# KiCad board fabiTEM_0-4.kicad_pcb (continued)
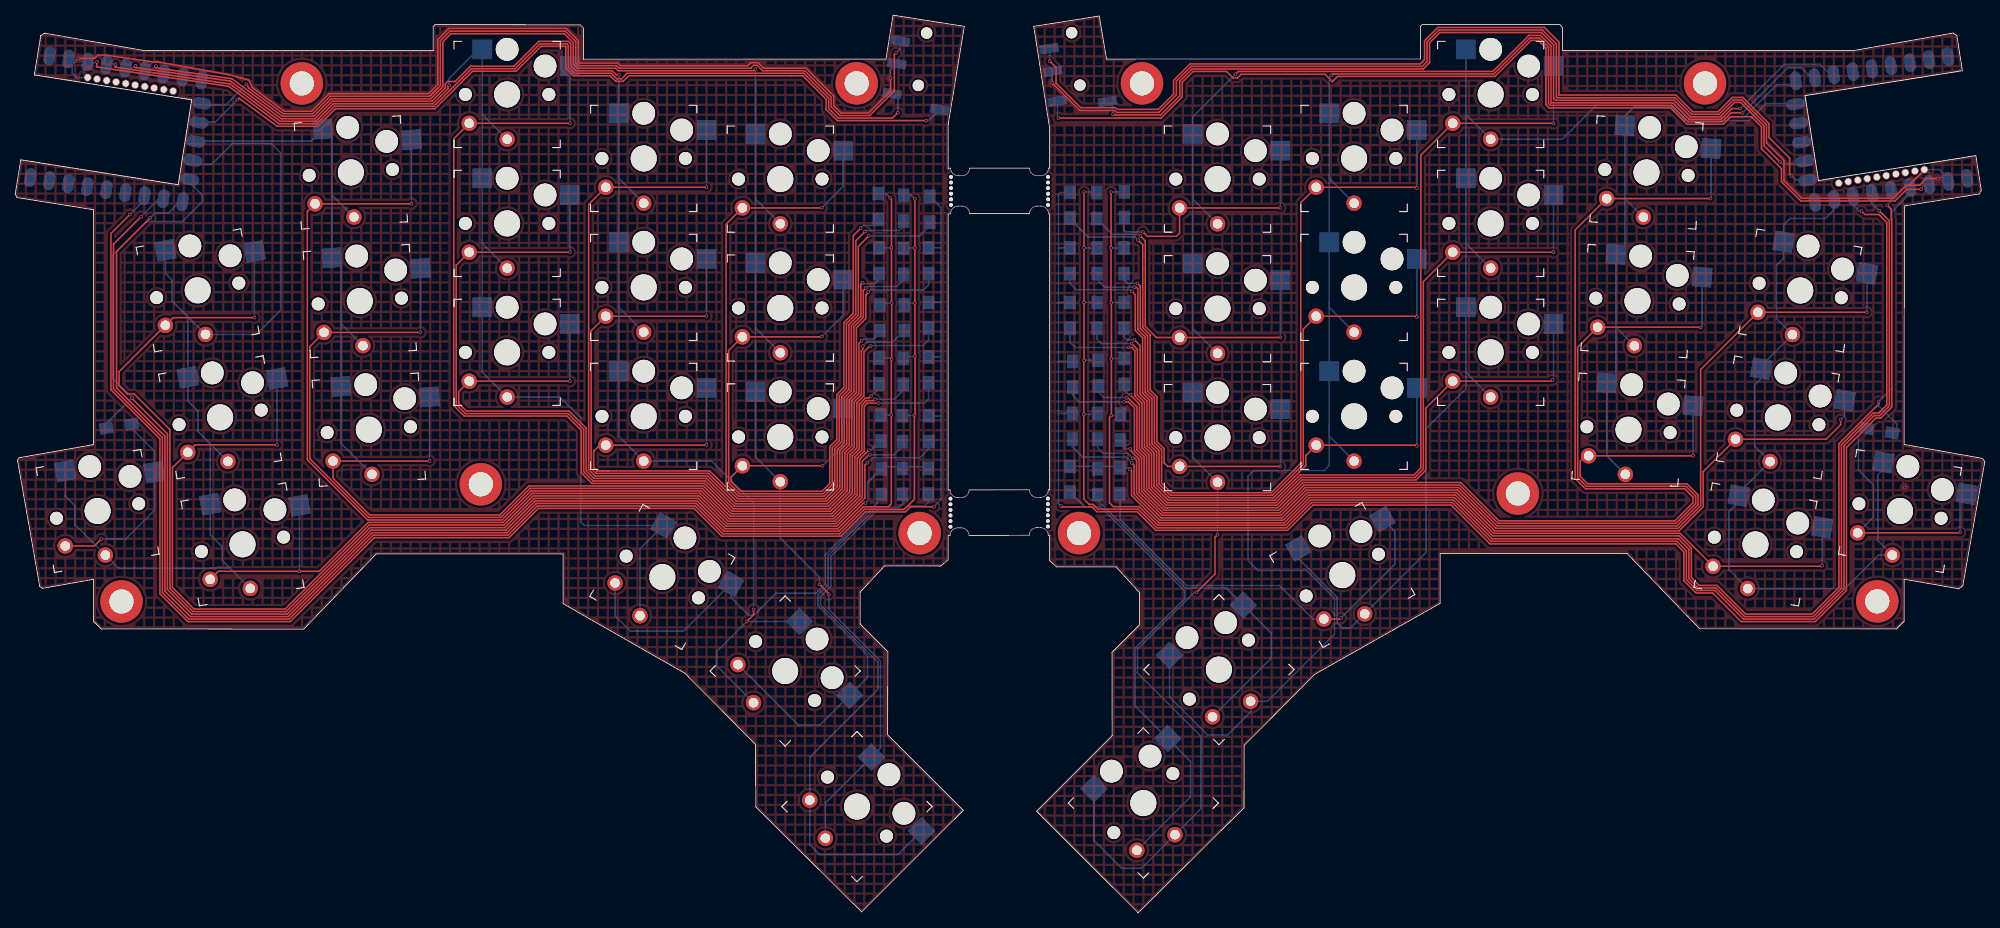
[diagram p0: board, top side]
## Routing (per net, layer and track width the routed paths; a pad name or vN(x,y) marks a point on that pad's centre or on a via; arc(x,y) is an arc through that point) (continued)
COL2_L: length 162.9
  Top w0.2: v1(57.2,109.11) 57.03,108.94 57.03,108.66 55.05,106.68 42.3,106.68 41.92,106.68 39.61,104.36 34.93,104.36 28.32,109.28 27.71,109.36 13.18,111.5 v1(13.23,111.9)
  Bottom w0.2: 61.56,106.22 61.56,105.27 SWL3.1 ; 61.56,106.22 SWL8.1 61.56,88.73 ; 61.56,106.22 SWL3.1 ; 11.99,111.26 12.63,111.9 v1(13.23,111.9) ; 61.56,88.73 61.56,88.27 SWL8.1 ; 61.56,88.73 SWL13.1 61.56,71.27 SWL13.1 71.78,68 74.54,65.24 74.54,51.55 75.02,51.07 SWL17.1 82.34,47.98 SWL17.1 ; 61.03,113.85 57.2,110.02 v1(57.2,109.11)
COL2_R: length 157.3
  Bottom w0.2: 191.19,71.71 SWR13.1 191.19,89.3 ; 191.19,71.71 191.19,71.27 SWR13.1 ; 191.19,71.71 191.19,69.07 185.96,63.85 185.96,47.51 SWR17.1 176.03,37.59 174.85,37.59 174.22,38.22 174.22,41.62 169.1,46.74 SWR17.1 ; U2.9 232.2,109.2 227.86,104.86 220.52,104.86 218.64,106.74 208.66,106.74 203.92,102 SWR3.1 191.19,105.27 191.19,105.8 ; 191.19,89.3 191.19,105.8 ; 191.19,89.3 191.19,88.27 SWR8.1 ; 191.19,105.8 SWR3.1
COL3_L: length 192.5
  Top w0.2: v1(15.85,111.67) 15.81,111.45 28.35,109.66 28.5,109.56 35.07,104.69 39.47,104.69 41.79,107.01 54.91,107.01 56.7,108.79 56.7,109.31 56.99,109.61 57.98,109.61 59.99,111.62 65.74,111.62 69.02,114.9 72.91,114.9 73.22,114.59 73.22,111.7 73.9,111.03 78.69,111.03 79.27,110.45 v1(79.56,110.45) ; v1(96.41,38.41) 97.32,39.32 v1(97.32,39.99)
  Bottom w0.2: 79.56,80.58 SWL9.1 79.56,97.69 ; 79.56,80.58 SWL14.1 79.56,62.84 SWL14.1 91.8,59.56 97.32,54.04 v1(97.32,39.99) ; 79.56,80.58 79.56,79.84 SWL9.1 ; v1(15.85,111.67) 14.5,110.87 ; SWL18.1 92.47,32.55 92.47,34.47 v1(96.41,38.41) SWL18.1 ; 79.56,97.69 SWL4.1 v1(79.56,110.45) ; 79.56,97.69 79.56,96.84 SWL4.1
COL3_R: length 222.3
  Top w0.2: v1(173.46,110.43) 173.63,110.6 194.88,110.6 199.63,115.35 200.88,115.35 202.08,114.15 202.08,106.68 202.3,106.46 218.3,106.46 220.46,104.31 224.98,104.31 226.15,105.47 v1(227.66,105.47)
  Bottom w0.2: 173.19,64.1 SWR14.1 173.19,80.35 ; 173.19,64.1 173.19,62.84 SWR14.1 ; 173.19,64.1 173.19,58.98 172.5,58.3 163.21,58.3 162.48,57.57 162.48,46.49 ; SWR4.1 173.19,96.84 173.19,97.27 ; 162.56,46.38 163.82,45.12 170.22,45.12 173.89,41.45 173.89,36.73 165.06,27.89 SWR18.1 162.9,27.82 162.9,26.56 159.8,23.46 157.14,23.46 152.12,28.47 SWR18.1 ; 173.19,80.35 173.19,97.27 ; 173.19,80.35 173.19,79.84 SWR9.1 ; v1(227.66,105.47) 233.6,111.42 235.43,111.42 U2.8 ; v1(173.46,110.43) 173.19,110.16 SWR4.1 173.19,97.27
COL4_L: length 216.9
  Top w0.2: v1(97.56,111.26) 97.33,111.03 79.46,111.03 79.13,111.36 74.1,111.36 73.55,111.9 73.55,114.72 72.36,115.91 57.43,115.91 56.36,114.85 56.36,108.92 54.78,107.34 41.65,107.34 39.34,105.02 35.21,105.02 28.57,109.97 18.5,111.4 v1(18.54,111.65) ; v1(107.24,41.98) 107.24,42.08 v1(106.01,43.31)
  Bottom w0.2: v1(18.54,111.65) 17.01,110.47 ; SWL10.1 97.56,77.12 97.56,78.03 ; 97.56,78.03 SWL10.1 97.56,94.84 ; 97.56,78.03 SWL15.1 97.56,60.12 SWL15.1 100.84,49.4 106.01,44.23 v1(106.01,43.31) ; SWL19.1 106.78,14.47 SWL19.1 114.04,21.73 114.04,33.19 107.24,39.99 v1(107.24,41.98) ; 97.56,94.84 97.56,94.12 SWL5.1 ; 97.56,94.84 SWL5.1 v1(97.56,111.26)
COL4_R: length 242.2
  Top w0.2: v1(158.46,49.86) 158.13,49.53 158.13,44.68 v1(155.7,42.25) ; v1(227.36,106.03) 226.24,106.03 224.84,104.64 220.6,104.64 218.44,106.79 202.43,106.79 202.41,106.81 202.41,114.29 201.02,115.68 199.5,115.68 194.74,110.93 161.18,110.93 v1(160.83,110.58)
  Bottom w0.2: SWR10.1 155.19,77.03 155.19,77.32 ; 155.19,77.32 155.19,94.94 ; 155.19,77.32 SWR15.1 155.19,60.03 SWR15.1 158.46,49.86 v1(158.46,49.86) ; SWR5.1 155.19,94.12 155.19,94.94 ; 155.19,94.94 SWR5.1 155.19,104.93 v1(160.83,110.58) ; 156.26,23.3 147.9,31.67 147.9,34.75 155.4,42.25 v1(155.7,42.25) ; 156.26,23.3 156.26,21.81 ; 156.26,23.3 156.26,20.99 ; 156.26,23.3 156.26,21.81 ; 156.26,20.99 156.26,13.7 SWR19.1 148.44,5.88 145.85,5.88 142.16,9.56 SWR19.1 ; 156.26,20.99 156.26,21.81 ; U2.7 237.88,111.87 233.17,111.87 227.36,106.06 v1(227.36,106.03)
ROW0_L: length 218.8
  Top w0.2: v1(121.11,53.55) 118.01,53.55 117.33,52.87 112.03,52.87 108.82,49.65 108.64,49.65 93.14,49.65 89.48,53.32 68.94,53.32 65.09,49.46 47.31,49.46 36.25,38.4 22.74,38.4 19.07,42.07 19.07,62.5 12.62,68.95 12.62,89.57 v1(15.11,92.06)
  Bottom w0.2: v1(15.11,92.06) 17.14,94.08 17.14,95.02 ; 122.02,80.51 122.02,87.64 ; 122.02,80.51 122,80.48 120.39,80.48 DL3.1 ; 122.02,80.51 122.02,73.27 ; 122.02,87.64 122.02,93 DL5.1 ; 122.02,87.64 121.98,87.68 120.39,87.68 DL4.1 ; 122.02,65.49 122.02,54.46 v1(121.11,53.55) ; 122.02,65.49 122.02,73.27 ; 122.02,65.49 120.5,65.49 DL1.1 ; 122.02,73.27 121.99,73.3 120.42,73.3 DL2.1
ROW0_R: length 217
  Top w0.2: 245.6,65.89 244.87,65.89 240.69,61.72 240.69,42.78 236.97,39.06 227.92,39.06 224.15,42.84 221.8,42.84 220.58,44.05 220.58,47.95 219.22,49.31 194.66,49.31 189.55,54.43 170.73,54.43 167.4,51.09 150.61,51.09 148.14,53.56 144.73,53.56 144.22,54.06 144.22,65.32 v1(144.48,65.57) 144.48,80.43 v1(144.45,80.45) 144.42,80.48 v1(144.42,87.67) v1(144.42,95.03) ; 245.6,65.89 245.84,66.13 ; 245.6,65.89 245.84,66.13 ; 245.84,66.13 246.67,66.96 246.67,91.01 245.61,92.07 243.78,92.07 v1(243.33,92.52)
  Bottom w0.2: v1(144.48,65.57) 145.52,65.57 DR1.1 ; DR4.1 146.13,87.67 v1(144.42,87.67) ; v1(144.45,80.45) 146.12,80.45 DR3.1 ; U2.17 242.14,93.4 243.03,92.52 v1(243.33,92.52) ; v1(144.48,73.04) 144.52,73.09 DR2.1 ; v1(144.42,95.03) 145.08,95.03 145.11,95.06 DR5.1
ROW1_L: length 215.9
  Top w0.2: 118.57,80.68 v1(118.57,73.37) 118.59,73.34 118.59,65.65 v1(118.52,65.57) 118.52,54.52 117.19,53.2 111.9,53.2 108.68,49.98 93.28,49.98 89.61,53.65 68.8,53.65 64.95,49.79 47.18,49.79 36.11,38.73 22.88,38.73 19.4,42.2 19.4,62.64 12.95,69.09 12.95,88.15 v1(16.59,91.78) ; v1(118.57,80.4) v1(118.57,87.67) v1(118.57,94.15)
  Bottom w0.2: DL7.1 117.32,73.37 v1(118.57,73.37) ; v1(16.59,91.78) 19.42,94.62 19.64,94.62 ; v1(118.52,65.57) 116.97,65.57 DL6.1 ; DL10.1 118.11,94.6 v1(118.57,94.15) ; DL9.1 117.17,87.67 v1(118.57,87.67) ; v1(118.57,80.4) 117.4,80.4 DL8.1
ROW1_R: length 219.3
  Top w0.2: v1(245.67,92.57) 247,91.24 247,66.83 245.74,65.56 245,65.56 241.02,61.58 241.02,43.75 241.02,42.64 237.11,38.73 227.79,38.73 224.01,42.51 221.66,42.51 220.25,43.92 220.25,47.73 219,48.98 194.52,48.98 189.41,54.1 170.87,54.1 167.53,50.76 150.47,50.76 148.01,53.23 142.68,53.23 142.06,53.85 141.55,53.85 141.55,53.85 140.84,54.55 140.84,72.78 v1(140.89,72.83) 140.87,72.86 v1(140.87,80.48) v1(140.87,87.67) v1(140.87,95.06)
  Bottom w0.2: v1(140.87,95.06) 140.89,95.03 142.47,95.03 DR10.1 ; DR6.1 142.52,65.72 v1(140.84,65.72) ; v1(140.89,72.83) 140.92,72.86 DR7.1 ; DR8.1 142.57,80.48 v1(140.87,80.48) ; U2.18 244.65,93.59 v1(245.67,92.57) ; DR9.1 142.58,87.67 v1(140.87,87.67)
ROW2_L: length 214.2
  Top w0.2: v1(115.49,87.69) 115.49,94.09 v1(115.32,94.27) ; 115.49,87.82 115.49,80.43 v1(115.52,80.4) v1(115.52,72.96) 115.47,72.91 115.47,53.94 115.06,53.53 111.76,53.53 108.55,50.31 93.41,50.31 89.75,53.98 68.67,53.98 64.81,50.12 47.04,50.12 35.98,39.06 23.08,39.06 19.73,42.41 19.73,62.83 13.36,69.2 13.36,87.19 v1(17.81,91.63)
  Bottom w0.2: v1(115.52,80.4) 114.2,80.4 DL13.1 ; 22.15,94.22 20.19,92.27 18.44,92.27 v1(17.81,91.63) ; v1(115.52,72.96) 115.34,73.14 DL12.1 ; DL11.1 114.15,65.65 v1(115.47,65.65) ; DL14.1 115.47,87.67 v1(115.49,87.69) ; DL15.1 114.76,94.83 v1(115.32,94.27)
ROW2_R: length 222.8
  Top w0.2: v1(246.74,93.28) 247.24,92.77 247.24,91.46 247.33,91.37 247.33,66.69 245.88,65.23 245.23,65.23 241.35,61.35 241.35,42.5 237.25,38.4 227.47,38.4 223.7,42.18 221.53,42.18 219.92,43.78 219.92,47.59 218.86,48.65 194.39,48.65 194.29,48.75 194.28,48.75 189.26,53.77 171.02,53.77 167.69,50.43 150.33,50.43 147.87,52.9 142.55,52.9 141.93,53.52 137.95,53.52 v1(137.82,53.65)
  Bottom w0.2: 137.49,65.77 137.56,65.85 DR11.1 ; 137.49,65.77 137.49,53.98 v1(137.82,53.65) ; 137.49,65.77 137.49,72.71 ; DR12.1 137.62,72.71 137.62,72.71 137.49,72.71 ; 137.49,80.4 137.56,80.47 DR13.1 ; 137.49,80.4 137.49,87.62 ; 137.49,80.4 137.49,72.71 ; 137.49,87.62 137.55,87.67 DR14.1 ; 137.49,87.62 137.49,94.73 137.74,94.98 DR15.1 ; U2.19 247.16,93.71 v1(246.74,93.28)
ROW3_L: length 185.3
  Top w0.2: v1(112.06,54.04) 111.81,54.04 108.41,50.64 93.55,50.64 89.89,54.31 68.53,54.31 64.68,50.45 46.9,50.45 35.84,39.39 23.29,39.39 20.06,42.62 20.06,63.16 15.42,67.81 v1(15.42,67.91)
  Bottom w0.2: DL16.1 12.01,64.5 v1(15.42,67.91) 12.8,70.52 12.8,86.65 17.28,91.13 22.03,91.13 24.63,93.73 24.63,94.66 U1.10 ; DL19.1 120.14,58.82 114.41,58.82 DL17.1 112.34,56.75 112.34,54.32 v1(112.06,54.04)
ROW3_R: length 180.3
  Top w0.2: v1(146.94,58.48) 147.13,58.29 147.13,55.04 150.74,51.42 167.26,51.42 170.6,54.76 189.68,54.76 194.74,49.7 219.3,49.7 220.91,48.09 220.91,44.19 221.94,43.17 224.28,43.17 228.06,39.39 236.84,39.39 240.36,42.91 240.36,61.86 245.59,67.09 v1(245.59,67.42)
  Bottom w0.2: DR16.1 247.98,63.87 247.98,64.45 245.59,66.84 v1(245.59,67.42) 247.32,69.15 247.32,92.42 249.67,94.77 U2.20 ; v1(146.94,58.48) 146.76,58.66 DR17.1 145.41,58.87 DR19.1
RX_L: length 119.4
  Top w0.2: 55.69,108.72 56.03,109.06 56.03,114.98 57.29,116.24 72.5,116.24 73.88,114.86 73.88,112.04 74.23,111.7 79.25,111.7 79.59,111.36 96.93,111.36 97.33,111.76 97.77,111.76 98.5,111.03 104.06,111.03 107.54,107.55 107.54,106.28 108.7,105.12 112.61,105.12 115.81,108.32 115.87,108.32 115.87,113.14 v1(116.1,113.37) ; 55.69,108.72 54.64,107.67 ; 55.69,108.72 54.64,107.67 ; 54.64,107.67 41.51,107.67 39.2,105.35 35.34,105.35 30.81,108.71 v1(30.48,109.23)
  Bottom w0.2: 24.14,106.77 24.42,106.49 27.74,106.49 v1(30.48,109.23) ; J1.R2 116.67,113.93 v1(116.1,113.37)
RX_R: length 129.2
  Top w0.2: v1(136.35,112.28) 137.18,111.45 137.18,109.4 140.42,106.16 144.99,106.16 145.22,105.93 150.65,105.93 152.67,107.95 152.67,109.75 154.83,111.92 185.19,111.92 185.75,112.48 185.75,114.99 187.49,116.73 201.55,116.73 203.45,114.82 203.45,107.81 218.9,107.81 221.08,105.63 224.43,105.63 226.31,107.5 227.69,107.5 231.14,104.05 231.14,102.22 233.85,99.5 233.85,97.42 v1(234.14,97.14)
  Bottom w0.2: J2.R2 136.35,113.88 v1(136.35,112.28) ; v1(234.14,97.14) 234.62,96.66 U2.14
TX_L: length 112.7
  Top w0.2: v1(29.3,107.21) 29.3,107.22 29.49,107.4 34.54,103.7 39.88,103.7 42.2,106.02 55.32,106.02 60.27,110.96 66.01,110.96 69.29,114.24 72.56,114.24 72.56,111.38 73.58,110.37 78.42,110.37 79.16,109.62 80.12,109.62 80.86,110.37 102.29,110.37 103.79,110.37 106.88,107.28 106.88,105.92 108.34,104.46 v1(120.07,104.46)
  Bottom w0.2: J1.S 120.37,104.46 v1(120.07,104.46) ; 23.74,104.26 26.35,104.26 v1(29.3,107.21)
TX_R: length 115.4
  Top w0.2: v1(232.56,99.05) 230.48,101.13 230.48,103.78 227.41,106.84 226.59,106.84 224.71,104.97 220.81,104.97 218.65,107.12 203.04,107.12 202.75,107.41 202.75,114.46 201.15,116.07 187.76,116.07 186.41,114.71 186.41,112.1 185.57,111.26 155.11,111.26 153.48,109.63 153.48,107.72 150.95,105.2 144.78,105.2 v1(144.68,105.3)
  Bottom w0.2: v1(232.56,99.05) 232.87,98.74 235.9,98.74 U2.13 ; v1(144.68,105.3) 144.68,106.25 J2.S
Net-(DL1-A): length 178.2
  Top w0.2: v1(112.32,59.35) 111.99,59.02 111.99,58.42 111.98,58.4 111.98,54.67 108.27,50.97 93.69,50.97 90.02,54.64 68.39,54.64 64.54,50.78 46.77,50.78 35.7,39.72 23.43,39.72 20.39,42.75 20.39,63.71 15.7,68.41 14.79,68.41 13.69,69.51 13.69,71.35 SWL1.2 20.81,78.47 31.53,78.47 v1(31.54,78.48)
  Bottom w0.2: DL1.2 120.45,61.2 119.25,60.01 112.98,60.01 v1(112.32,59.35) ; SWL1.2 31.56,78.5 v1(31.54,78.48)
Net-(DL2-A): length 158.6
  Top w0.2: v1(113.79,67.2) 112.31,67.2 111.91,66.8 111.91,60.89 110.99,59.97 110.99,55.08 107.86,51.96 94.1,51.96 90.43,55.63 67.98,55.63 64.16,51.8 46.45,51.8 38.5,59.75 38.5,92.46 SWL2.2 52.21,93.48 v1(52.24,93.5)
  Bottom w0.2: SWL2.2 52.23,93.51 v1(52.24,93.5) ; v1(113.79,67.2) 119.83,67.2 120.39,67.75 DL2.2
Net-(DL3-A): length 151.1
  Top w0.2: v1(112.73,74.71) 112.62,74.71 111.86,73.95 111.86,68.17 110.92,67.23 110.92,61.3 110,60.38 110,55.49 107.45,52.95 94.51,52.95 90.84,56.62 76.01,56.62 74.59,58.04 74.59,63.64 72.73,65.49 59.2,65.49 57.8,66.89 57.8,102.06 SWL3.2 73.11,104.1 v1(73.11,104.1)
  Bottom w0.2: DL3.2 120.39,75.53 119.65,74.79 112.8,74.79 v1(112.73,74.71) ; v1(73.11,104.1) 73.11,104.1 SWL3.2
Net-(DL4-A): length 132.3
  Top w0.2: v1(91.11,95.68) 91.1,95.66 SWL4.2 75.58,93.4 75.58,58.45 76.42,57.61 91.25,57.61 94.92,53.94 107.04,53.94 109.01,55.91 109.01,60.79 109.93,61.71 109.93,67.64 110.87,68.58 110.87,77.12 112.11,78.36 112.11,81.4 112.31,81.6 112.31,81.74 v1(112.42,81.85)
  Bottom w0.2: v1(112.42,81.85) 112.67,82.11 119.68,82.11 120.39,82.81 DL4.2 ; SWL4.2 91.11,95.68 v1(91.11,95.68)
Net-(DL5-A): length 115.9
  Top w0.2: v1(106.31,92.97) 106.28,92.94 SWL5.2 93.7,90.8 93.7,56.57 95.34,54.93 106.63,54.93 108.02,56.32 108.02,61.2 108.94,62.12 108.94,68.05 109.88,68.99 109.88,77.54 111.12,78.78 111.12,87.87 v1(112.52,89.27)
  Bottom w0.2: DL5.2 120.55,90.59 119.2,89.24 112.55,89.24 v1(112.52,89.27) ; SWL5.2 109.11,95.77 v1(106.31,92.97)
Net-(DL6-A): length 152.3
  Top w0.2: v1(34.51,61.7) 23.73,61.7 20.72,58.69 20.72,42.89 23.56,40.05 35.57,40.05 46.66,51.14 64.43,51.14 68.26,54.97 90.16,54.97 93.82,51.3 108.14,51.3 111.65,54.81 111.65,59.53 112.51,60.4 v1(112.66,60.4)
  Bottom w0.2: v1(34.51,61.7) 34.51,61.7 SWL6.2 ; v1(112.66,60.4) 115.83,60.4 116.94,61.51 DL6.2
Net-(DL7-A): length 137.1
  Top w0.2: v1(53.41,76.53) 53.41,76.52 SWL7.2 38.83,74.65 38.83,59.89 46.58,52.13 64.02,52.13 67.85,55.96 90.57,55.96 94.23,52.29 107.73,52.29 110.66,55.22 110.66,60.11 111.58,61.03 111.58,66.94 112.17,67.53 113.14,67.53 v1(113.31,67.7)
  Bottom w0.2: SWL7.2 53.42,76.53 v1(53.41,76.53) ; v1(113.31,67.7) 115.85,67.7 117.04,68.9 DL7.2
Net-(DL8-A): length 129.3
  Top w0.2: v1(73.11,87.1) 73.11,87.1 SWL8.2 58.13,85.39 58.13,67.03 59.34,65.82 72.87,65.82 74.92,63.77 74.92,58.17 76.15,56.95 90.98,56.95 94.64,53.28 107.32,53.28 109.67,55.63 109.67,60.52 110.59,61.44 110.59,67.36 111.53,68.3 111.53,74.09 111.71,74.27 v1(111.71,74.71)
  Bottom w0.2: DL8.2 115.63,75.23 112.23,75.23 v1(111.71,74.71) ; v1(73.11,87.1) 73.11,87.1 SWL8.2
Net-(DL9-A): length 110.9
  Top w0.2: v1(91.11,78.68) 91.1,78.66 SWL9.2 75.91,76.73 75.91,58.58 76.56,57.94 91.39,57.94 95.05,54.27 106.91,54.27 108.68,56.04 108.68,60.93 109.6,61.85 109.6,67.77 110.54,68.71 110.54,77.27 111.78,78.51 111.78,82.07 v1(112.09,82.38)
  Bottom w0.2: DL9.2 117.09,83.51 116.15,82.57 112.27,82.57 v1(112.09,82.38) ; v1(91.11,78.68) 91.11,78.68 SWL9.2
Net-(DL10-A): length 95.1
  Top w0.2: v1(106.31,75.99) 106.26,75.94 SWL10.2 94.03,74.13 94.03,56.7 95.47,55.26 106.5,55.26 107.69,56.45 107.69,61.34 108.61,62.26 108.61,68.18 109.55,69.12 109.55,77.68 110.79,78.92 110.79,88.6 v1(112.01,89.83)
  Bottom w0.2: SWL10.2 109.11,78.8 v1(106.31,75.99) ; v1(112.01,89.83) 112.17,89.98 116.54,89.98 117.09,90.54 DL10.2
Net-(DL11-A): length 110.5
  Top w0.2: SWL11.2 26.75,45.03 v1(37.46,45.03) 40.08,45.03 46.52,51.47 64.3,51.47 68.12,55.3 90.3,55.3 93.96,51.63 108,51.63 111.32,54.95 111.32,59.83 112.16,60.68 112.17,60.68 v1(112.5,61)
  Bottom w0.2: v1(112.5,61) 112.78,61 113.97,62.19 DL11.2 ; v1(37.46,45.03) SWL11.2
Net-(DL12-A): length 114.3
  Top w0.2: v1(54.61,59.58) 54.6,59.56 SWL12.2 41.89,57.3 46.72,52.46 63.89,52.46 67.71,56.29 90.71,56.29 94.37,52.62 107.59,52.62 110.33,55.36 110.33,60.24 111.25,61.16 111.25,67.08 112.03,67.86 112.53,67.86 v1(112.78,68.11)
  Bottom w0.2: v1(54.61,59.58) 54.6,59.58 SWL12.2 ; v1(112.78,68.11) 113.87,69.2 DL12.2
Net-(DL13-A): length 108.8
  Top w0.2: v1(111.56,75.43) 111.2,75.07 111.2,68.44 110.26,67.5 110.26,61.57 109.34,60.65 109.34,55.77 107.18,53.61 94.78,53.61 91.12,57.28 76.28,57.28 75.25,58.31 75.25,63.91 73.01,66.15 59.47,66.15 58.46,67.17 58.46,68.72 SWL13.2 73.09,70.1 v1(73.11,70.08)
  Bottom w0.2: SWL13.2 73.11,70.08 v1(73.11,70.08) ; v1(111.56,75.43) 111.79,75.65 113.18,75.65 113.97,76.44 DL13.2
Net-(DL14-A): length 91.6
  Top w0.2: SWL14.2 91.07,61.66 v1(91.11,61.7) ; 76.69,58.27 76.24,58.72 76.24,60.85 77.05,61.66 ; 76.69,58.27 78.21,58.27 ; 76.69,58.27 78.21,58.27 ; 78.21,58.27 91.53,58.27 95.2,54.6 106.77,54.6 108.35,56.18 108.35,61.06 109.27,61.98 109.27,67.91 110.21,68.85 110.21,77.41 111.45,78.65 111.45,82.86 v1(111.68,83.1)
  Bottom w0.2: SWL14.2 91.11,61.7 v1(91.11,61.7) ; DL14.2 113.84,83.5 113.28,82.94 111.84,82.94 v1(111.68,83.1)
Net-(DL15-A): length 74.1
  Top w0.2: v1(111.43,90.26) 110.46,89.29 110.46,79.06 109.22,77.82 109.22,69.26 108.28,68.32 108.28,62.39 107.36,61.47 107.36,56.59 106.36,55.59 95.61,55.59 94.36,56.84 94.36,57.46 SWL15.2 106.38,58.94 v1(106.38,58.94)
  Bottom w0.2: DL15.2 113.74,91.38 113,90.64 111.81,90.64 v1(111.43,90.26) ; v1(106.38,58.94) 109.11,61.67 SWL15.2
Net-(DL16-A): length 26.3
  Top w0.2: SWL16.2 10.43,48.37 v1(11.35,49.29)
  Bottom w0.2: v1(11.35,49.29) 14.58,49.29 18.36,53.07 18.36,60.85 15.37,63.84 DL16.2
Net-(DL17-A): length 54.8
  Bottom w0.2: DL17.2 113.65,54.66 113.65,54.09 106.77,47.21 106.77,43.35 105.55,42.14 100.25,42.14 97.34,39.23 96.68,39.23 94.34,41.57 SWL17.2 88.09,37.14 81.08,37.14 79.06,39.15 SWL17.2
Net-(DL18-A): length 56.2
  Bottom w0.2: SWL18.2 103.23,24.76 106.05,24.76 112.33,31.03 112.33,33.97 105.8,40.5 105.8,41.91 107.15,43.26 107.15,47.12 113.5,53.48 116.51,53.48 116.97,53.94 DL18.2
Net-(DL19-A): length 78.9
  Bottom w0.2: DL19.2 120.35,54.11 119.85,53.62 117.51,53.62 117.02,53.12 113.62,53.12 107.49,47 107.49,43.06 106.13,41.69 106.13,40.64 113.71,33.06 113.71,29.49 104.72,20.51 104.72,8.98 106.02,7.68 116.33,7.68 SWL19.2
Net-(DR1-A): length 136.4
  Top w0.2: v1(244.04,79.17) 244.03,79.18 SWR1.2 222.13,71.63 222.13,53.68 219.14,50.69 195.15,50.69 190.09,55.75 170.15,55.75 166.81,52.41 151.15,52.41 148.12,55.45 148.12,59.83 147.1,60.85 147.1,61.01 v1(146.96,61.15)
  Bottom w0.2: DR1.2 145.69,61.73 146.28,61.15 v1(146.96,61.15) ; SWR1.2 244.06,79.2 v1(244.04,79.17)
Net-(DR2-A): length 169
  Top w0.2: v1(147.02,68.31) 147.02,68.23 148.17,67.08 148.17,61.18 149.11,60.24 149.11,55.86 151.55,53.41 151.83,53.41 151.84,53.4 166.38,53.4 169.72,56.74 190.5,56.74 195.56,51.68 218.73,51.68 221.14,54.09 221.14,54.8 220.04,55.9 206.96,55.9 205.59,57.27 205.59,90.02 SWR2.2 223.44,94.17 v1(223.44,94.17)
  Bottom w0.2: SWR2.2 223.51,94.25 v1(223.44,94.17) ; DR2.2 146.13,68.95 146.76,68.31 v1(147.02,68.31)
Net-(DR3-A): length 128.7
  Top w0.2: v1(147.5,75.55) 148.26,74.79 148.26,68.39 149.16,67.49 149.16,61.59 150.1,60.65 150.1,56.27 151.96,54.4 165.98,54.4 169.31,57.73 184.35,57.73 185.26,58.64 185.26,99.89 SWR3.2 202.71,104.1 v1(202.74,104.07)
  Bottom w0.2: SWR3.2 v1(202.74,104.07) ; DR3.2 146.13,76 146.58,75.55 v1(147.5,75.55)
Net-(DR4-A): length 109.1
  Top w0.2: v1(184.74,95.57) 184.65,95.66 SWR4.2 169.43,93.63 169.43,59.27 165.56,55.39 152.37,55.39 151.09,56.68 151.09,61.06 150.15,62 150.15,67.9 149.25,68.8 149.25,76.09 148.28,77.06 148.28,82.62 v1(147.9,82.99)
  Bottom w0.2: SWR4.2 v1(184.74,95.57) ; DR4.2 146.13,83.45 146.58,82.99 v1(147.9,82.99)
Net-(DR5-A): length 33.5
  Top w0.2: v1(166.74,92.94) SWR5.2 153.46,89.62 153.03,89.19 149.21,89.19 v1(148.62,89.78)
  Bottom w0.2: v1(148.62,89.78) 148.61,89.78 146.38,89.78 146.13,90.03 146.13,91.47 ; SWR5.2 v1(166.74,92.94)
Net-(DR6-A): length 120.9
  Top w0.2: v1(147.27,59.94) 147.54,59.94 147.79,59.69 147.79,55.31 151.02,52.08 166.99,52.08 166.99,52.1 170.3,55.42 189.96,55.42 195.01,50.36 219.28,50.36 222.46,53.54 222.46,58.17 SWR6.2 238.67,62.44 240.59,64.35 v1(240.59,65.01)
  Bottom w0.2: DR6.2 142.65,61.33 143.38,60.59 146.62,60.59 v1(147.27,59.94) ; v1(240.59,65.01) 241.11,65.53 SWR6.2
Net-(DR7-A): length 155.2
  Top w0.2: v1(222.14,77.17) 222.1,77.21 SWR7.2 205.92,74.58 205.92,57.4 207.1,56.23 220.2,56.23 221.47,54.95 221.47,53.95 218.87,51.35 195.42,51.35 190.37,56.41 169.86,56.41 166.53,53.07 151.43,53.07 148.78,55.72 148.78,60.1 147.84,61.04 147.84,66.71 146.67,67.88 v1(146.49,67.88)
  Bottom w0.2: SWR7.2 222.33,77.36 v1(222.14,77.17) ; DR7.2 142.72,68.69 143.46,67.96 146.41,67.96 v1(146.49,67.88)
Net-(DR8-A): length 115.8
  Top w0.2: v1(202.74,87.07) 202.71,87.1 SWR8.2 185.59,83.22 185.59,58.5 184.48,57.4 169.44,57.4 166.12,54.07 151.83,54.07 149.77,56.13 149.77,60.51 148.83,61.45 148.83,67.35 147.9,68.28 147.9,74.27 v1(147.13,75.04)
  Bottom w0.2: DR8.2 142.58,75.62 143.15,75.04 v1(147.13,75.04) ; SWR8.2 v1(202.74,87.07)
Net-(DR9-A): length 96
  Top w0.2: v1(184.74,78.57) 184.65,78.66 SWR9.2 169.76,76.96 169.76,59.13 165.69,55.06 152.24,55.06 150.76,56.54 150.76,60.92 149.82,61.86 149.82,67.76 148.92,68.66 148.92,75.95 147.95,76.92 147.95,82.29 147.75,82.49 v1(147.5,82.49)
  Bottom w0.2: SWR9.2 v1(184.74,78.57) ; DR9.2 142.58,83.49 143.59,82.49 v1(147.5,82.49)
Net-(DR10-A): length 44.8
  Top w0.2: v1(166.74,75.85) 166.73,75.86 SWR10.2 150.41,75.86 148.94,77.33 148.94,88.6 v1(148.28,89.26)
  Bottom w0.2: 142.58,91.47 144.61,89.45 148.09,89.45 v1(148.28,89.26) ; SWR10.2 v1(166.74,75.85)
Net-(DR11-A): length 116.5
  Top w0.2: v1(238.14,45.77) 238.06,45.69 SWR11.2 219.44,50.03 194.87,50.03 189.82,55.09 170.46,55.09 167.12,51.75 150.88,51.75 147.46,55.17 147.46,59.03 v1(147.17,59.32)
  Bottom w0.2: SWR11.2 238.16,45.79 v1(238.14,45.77) ; v1(147.17,59.32) 146.41,60.08 140.69,60.08 139.32,61.46 DR11.2
Net-(DR12-A): length 141.6
  Top w0.2: SWR12.2 221.12,60.25 v1(221.14,60.27) ; 206.96,60.25 206.25,59.55 206.25,57.54 207.23,56.56 220.33,56.56 221.8,55.09 221.8,53.82 219.01,51.02 195.28,51.02 190.23,56.08 170.01,56.08 166.68,52.74 151.29,52.74 148.45,55.58 148.45,59.97 147.51,60.91 147.51,66.58 146.71,67.37 v1(146.13,67.37)
  Bottom w0.2: v1(146.13,67.37) 140.25,67.37 139.37,68.25 DR12.2 ; SWR12.2 221.14,60.28 v1(221.14,60.27)
Net-(DR13-A): length 102.9
  Top w0.2: v1(146.71,74.54) 147.17,74.54 147.57,74.13 147.57,68.14 148.5,67.21 148.5,61.32 149.44,60.38 149.44,55.99 151.69,53.74 166.26,53.74 169.58,57.07 184.62,57.07 185.92,58.36 185.92,66.55 SWR13.2 202.44,70.1 v1(202.62,70.28)
  Bottom w0.2: v1(146.71,74.54) 139.73,74.54 139.03,75.23 DR13.2 ; SWR13.2 202.74,70.39 v1(202.62,70.28)
Net-(DR14-A): length 83.1
  Top w0.2: v1(184.74,61.57) 184.65,61.66 SWR14.2 170.09,60.29 170.09,58.95 170.06,58.95 165.85,54.73 152.1,54.73 150.43,56.4 150.43,60.79 149.49,61.73 149.49,67.62 148.59,68.52 148.59,75.81 147.62,76.78 147.62,81.5 147.19,81.92 v1(147.19,81.93)
  Bottom w0.2: DR14.2 139.03,82.98 139.85,82.16 146.96,82.16 v1(147.19,81.93) ; SWR14.2 v1(184.74,61.57)
Net-(DR15-A): length 64.1
  Top w0.2: v1(166.74,58.83) 166.71,58.86 SWR15.2 151.9,58.86 151.42,59.34 151.42,61.2 150.48,62.14 150.48,68.03 149.58,68.93 149.58,76.22 148.61,77.19 148.61,88.08 v1(147.98,88.71)
  Bottom w0.2: v1(147.98,88.71) 147.57,89.12 141.39,89.12 139.04,91.46 DR15.2 ; SWR15.2 v1(166.74,58.83)
Net-(DR16-A): length 33.6
  Top w0.2: SWR16.2 256.27,50.1 v1(256.34,50.17)
  Bottom w0.2: SWR16.2 244.91,52.18 244.91,56.4 242.93,58.38 242.93,62.75 DR16.2 ; 256.34,54.36 v1(256.34,50.17)
Net-(DR17-A): length 54.6
  Top w0.2: SWR17.2 174.6,38.74 v1(174.72,38.86)
  Bottom w0.2: SWR17.2 181.84,50.28 181.84,45.98 v1(174.72,38.86) ; DR17.2 145.62,51.9 154.36,43.17 166.61,43.17 171.04,38.74 SWR17.2
Net-(DR18-A): length 47.6
  Bottom w0.2: 160.08,42.34 165.54,36.87 165.54,33.59 SWR18.2 ; SWR18.2 159.58,42.84 154.22,42.84 142.67,54.38 DR18.2
Net-(DR19-A): length 63.4
  Bottom w0.2: SWR19.2 154.87,15.28 154.91,15.28 154.91,19.94 SWR19.2 147.57,27.29 147.57,34.89 154.15,41.47 154.15,42.44 143.06,53.53 140.98,53.53 DR19.2

## Copper pours and planes (outline as drawn; the poured copper is in the pictures)
GND_L on Top, Bottom: 128.95,-25.93 -8.29,-25.93 -8.29,150.04 128.95,150.04
GND_R on Top, Bottom: 267.7,-25.93 130.38,-25.94 130.4,150.07 267.71,150.06

## Text on the board
B.Mask: 0.1
B.Silkscreen: R3 | C0 | C1 | TX | GND | VCC | C2 | C3 | C4 | RX | R2 | R1 | R0 | f a b i l a b | M A D E   B Y | R E V I S I O N   0 . 5 | fabi T E M | WAVESHARE / RP2040 / ZERO
User.Drawings: fabi T E M
